# Altium PCB main_board.PcbDoc
Units mil, origin at the board's own origin, x right, y up, seen from the top; angles counter-clockwise.
Board outline 2075 x 1895 mil, 2 copper layers (Top Layer, Bottom Layer); 17 components, 27 nets, 103 pads, 0 vias.
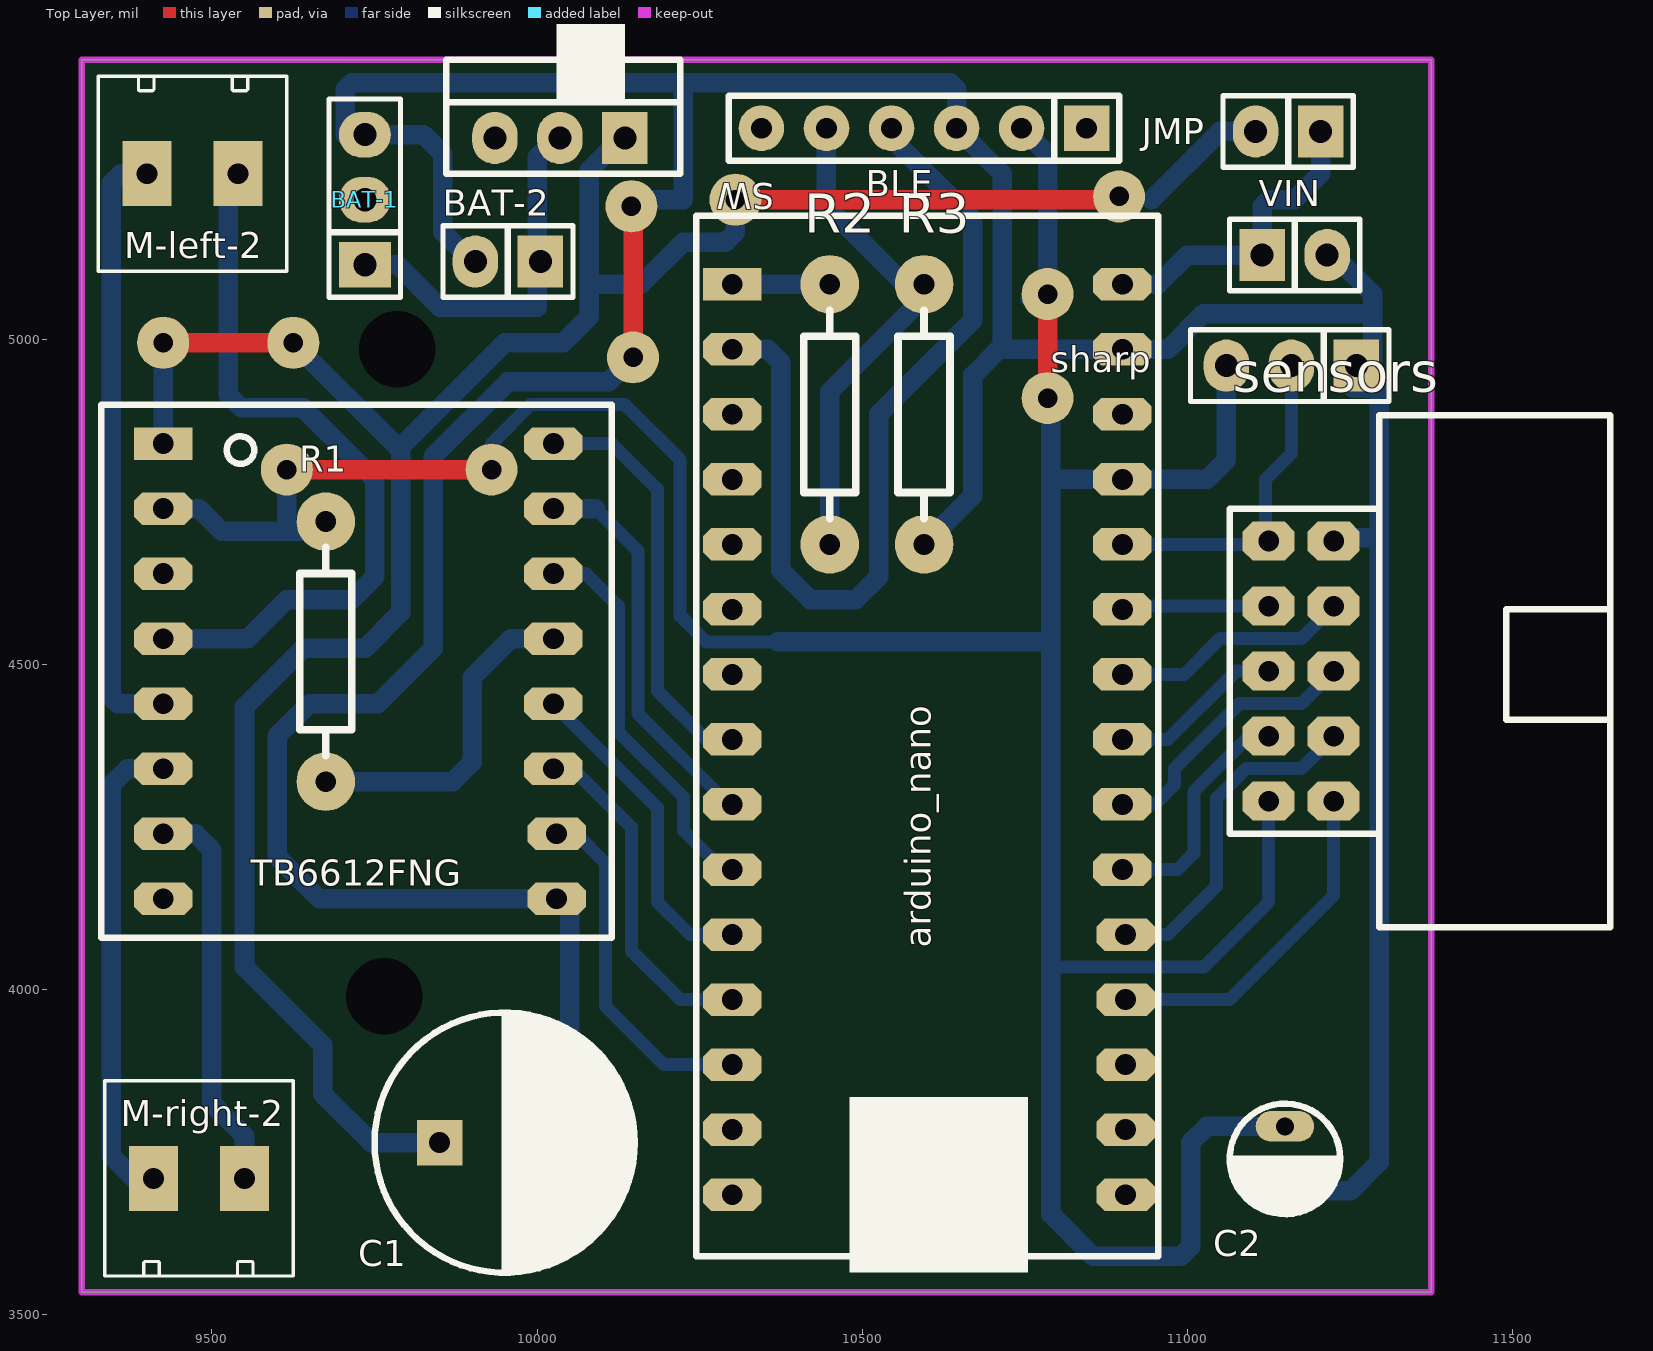
[diagram p0: Top Layer view]
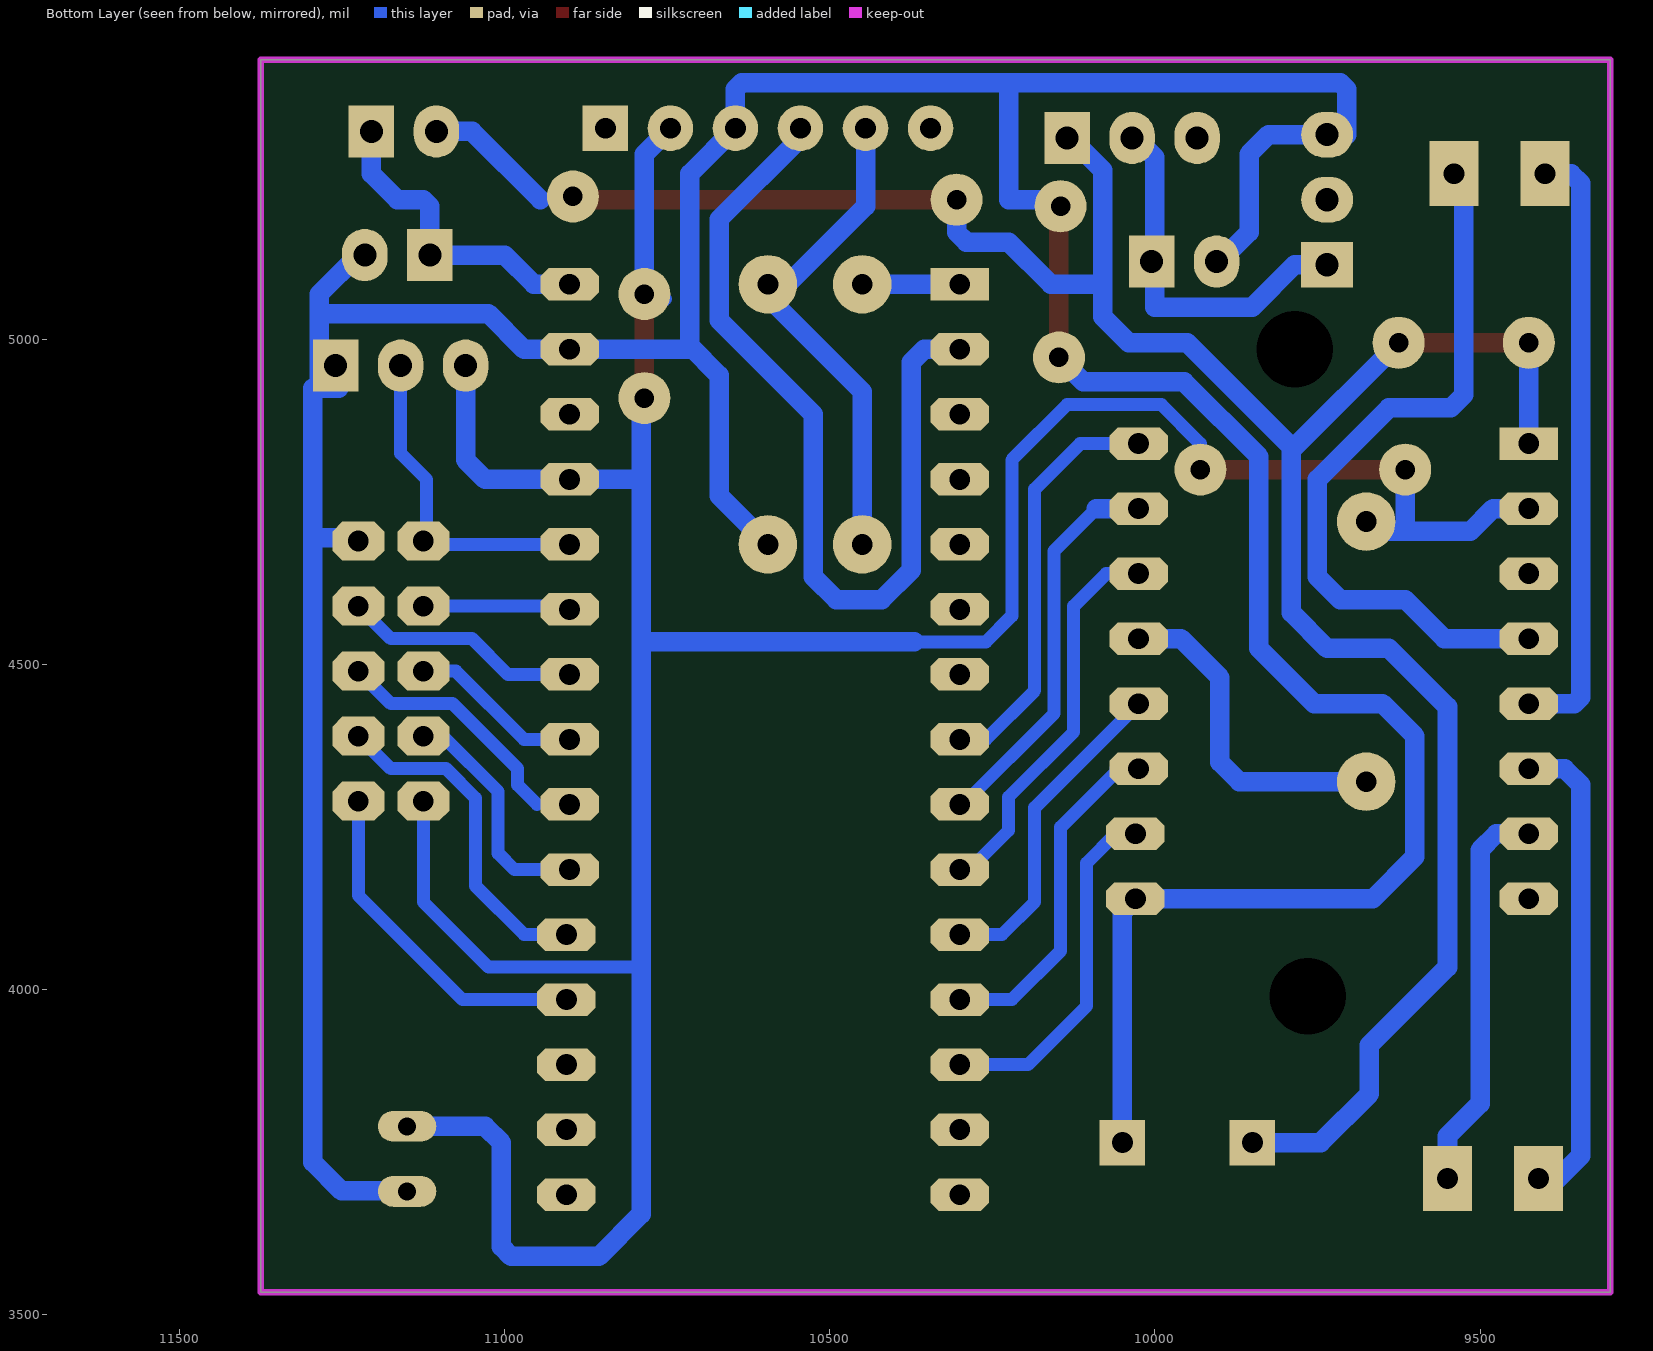
[diagram p1: Bottom Layer view, seen from below]

## Layer stack, top to bottom
Top Layer: signal copper 1.4
Dielectric: dielectric 12.6, FR-4, Dk 4.8
Bottom Layer: signal copper 1.4

## Board outline
9300,5430 11375,5430 11375,3535 9300,3535

## Design rules (kind name [scope] priority, off if disabled: settings)
Clearance [All] p1: gap=10
PolygonConnect [All] p1: connectstyle=Relief reliefconductorwidth=10 reliefentries=4 polygonreliefangle="90 Angle" airgapwidth=10
RoutingVias [All] p1: holewidth=28 width=50 viastyle="Through Hole" minholewidth=28 minwidth=50 maxholewidth=28 maxwidth=50
SolderMaskExpansion [All] p1: expansion=4
Width [All] p1: maxlimit=30 minlimit=20 preferedwidth=30 toplayer_minwidth=30 minimp=50.000000 maximp=50.000000 favimp=50.000000
28 further rules are at their usual default settings.

## Components (designator, comment, footprint, x,y, rotation, side; value= is the part's Value field where it differs from the comment)
arduino_nano "arduino" Arduino_nano 10605,4420 r0 top
BAT-1 "HDR-3" HDR-3 9735,5115 r90 top
BAT-2 "HDR-2" HDR-2 10005,5120 r180 top
BLE "HDR-6" HDR-6 10845,5325 r180 top
C1 "Capacitor Polarized" ELCO-2 10050,3765 r0 top
C2 "Capacitor Polarized" ELCO-1 11150,3740 r270 top
JMP "HDR-2" HDR-2 11205,5320 r180 top
M-left-2 "HDR-2" KLEMA2_SMALL 9505,5255 r0 top
M-right-2 "HDR-2" KLEMA2_SMALL 9445,3710 r180 top
R1 "Resistor" AXIAL-4 9675,4320 r90 top
R2 "Resistor" AXIAL-4 10450,5085 r270 top
R3 "Resistor" AXIAL-4 10595,5085 r270 top
sensors "HDR-5x2" "HDR-5x2 CON" 11165,4490 r90 top
sharp "HDR-3" HDR-3 11260,4960 r180 top
SW "SW-SPST" SW-3 10035,5310 r0 top
TB6612FNG "SparkFun" TB6612FNG_SparkFun 9750,4205 r0 top
VIN "HDR-2" HDR-2 11115,5130 r0 top

## Footprints (in the part's own frame and the unit in brackets; to place one, negate y for a bottom-side part, rotate by r counter-clockwise, add the part's x,y. Pads: shape width x height; smd on the part's side, far side on the other; paste and mask are expansions set on the pad)
Arduino_nano [mil]
  rect 90x50 hole 32: 1(-305,665)
  oct 90x50 hole 32: 2(-305,565) 3(-305,465) 4(-305,365) 5(-305,265) 6(-305,165) 7(-305,65) 8(-305,-35) 9(-305,-135) 10(-305,-235) 11(-305,-335) 12(-305,-435) 13(-305,-535) 14(-305,-635) 15(-305,-735) 16(300,-735) 17(300,-635) 18(300,-535) 19(300,-435) 20(300,-335) 21(295,-235) 22(295,-135) 23(295,-35) 24(295,65) 25(295,165) 26(295,265) 27(295,365) 28(295,465) 29(295,565) 30(295,665)
  silkscreen extent -360,-855 350,770, body extent -359,-952 349,820, height 752
AXIAL-4 [mil]
  round 90 hole 32: 1(0,0) 2(400,0)
  silkscreen extent 40,-40 360,40
ELCO-1 [mm]
  oval 1.2x2.286 hole 0.7: 1(-1.27,0) 2(1.27,0)
  silkscreen extent -2.16,-2.16 2.16,2.16, body extent -2.54,-2.54 2.69,2.68, height 11.01
ELCO-2 [mil]
  rect 70x70 hole 32: 1(-200,0) 2(0,0)
  silkscreen extent -300,-200 100,200, body extent -305,-206 107,206, height 650
HDR-2 [mil]
  rect 70x80 hole 35.43: 1(0,0)
  oval 70x80 hole 35.43: 2(100,0)
  silkscreen extent -50,-55 150,55, body extent -50,-50 150,50, height 350
HDR-3 [mil] "DIP, Plastic; 8 Leads; Row Spacing 7.62 mm; Pitch 2.54 mm"
  rect 70x80 hole 35.43: 1(0,0)
  oval 70x80 hole 35.43: 2(100,0) 3(200,0)
  silkscreen extent -50,-55 255,55, body extent -50,-50 250,50, height 350
"HDR-5x2 CON" [mil]
  oct 60x80 hole 32: 1(200,40) 2(200,-60) 3(100,40) 4(100,-60) 5(0,40) 6(0,-60) 7(-100,40) 8(-100,-60) 9(-200,40) 10(-200,-60)
  silkscreen extent -394,-485 394,100, body extent -400,-474 400,60, height 339
HDR-6 [mil]
  rect 70x70 hole 32: 1(0,0)
  round 70 hole 32: 2(100,0) 3(200,0) 4(300,0) 5(400,0) 6(500,0)
  silkscreen extent -50,-50 550,50, body extent -58,-49 558,49, height 335
KLEMA2_SMALL [mil]
  rect 75x100 hole 32: 1(-105,0) 2(35,0)
  silkscreen extent -180,-150 110,150, body extent -204,-136 134,140, height 335
SW-3 [mil]
  rect 70x80 hole 35.43: 1(100,0)
  oval 70x80 hole 35.43: 2(0,0) 3(-100,0)
  silkscreen extent -175,-55 185,195, body extent -162,-48 172,169, height 139
TB6612FNG_SparkFun [mil]
  rect 90x50 hole 32: 1(-325,635)
  oct 90x50 hole 32: 2(-325,535) 3(-325,435) 4(-325,335) 5(-325,235) 6(-325,135) 7(-325,35) 8(-325,-65) 9(280,-65) 10(280,35) 11(275,135) 12(275,235) 13(275,335) 14(275,435) 15(275,535) 16(275,635)
  silkscreen extent -420,-125 365,695, body extent -441,-128 382,698, height 494

## Part data
arduino_nano: library part Arduino_Nano
TB6612FNG: library part TB6612FNG_SparkFun

## Free pads (board coordinates)
  round 80 hole 30: 0(9425,4995) 0(9615,4800) 0(9625,4995) 0(9930,4800) 0(10145,5205) 0(10147.5,4972.5) 0(10305,5215) 0(10785,4910) 0(10785,5070) 0(10895,5220)
  round 39.37 hole 118.11: 0(9765,3990) 0(9785,4985)

## Nets (pads, with @x,y where several pads share a name; then routed paths per layer and width w, separated by ;. In a path a pad name is that pad's centre, name@x,y a point inside that pad or via, vN(x,y) a via of type N, cw(c..) or ccw(c..) an arc to the next point about the centre after c; other vN are vias at no path point)
5V: arduino_nano.27 BLE.2 C2.1 pad.0@9615,4800 pad.0@9930,4800 pad.0@10785,4910 pad.0@10785,5070 R1.2 sensors.9 sharp.3 TB6612FNG.2 | length 5038.6
  Top Layer w30: pad.0@9615,4800 pad.0@9930,4800 ; pad.0@10785,4910 pad.0@10785,5070
  Bottom Layer w20: pad.0@9930,4805 pad.0@9930,4820 ; 9930,4840 9990,4900 10135,4900 10220,4815 10220,4575 10260,4535 10370,4535 ; pad.0@10752.5,5062.5 pad.0@10755,5060 ; 10790,4035 11025,4035 11125,4135 sensors.9
  Bottom Layer w30: TB6612FNG.2 9480,4740 9515,4705 R1.2@9690,4705 ; 9615,4705 pad.0@9615,4785 ; 10370,4535 10790,4535 ; BLE.2 10785,5285 pad.0@10785,5070 ; pad.0@10790,4910 10790,4785 ; arduino_nano.27@10895,4785 10790,4785 ; arduino_nano.27 11030,4785 11060,4815 sharp.3@11060,4925 ; C2.1 11030,3790 11005,3765 11005,3605 10990,3590 10855,3590 10790,3655 10790,4035 10790,4535 ; 10790,4535 10790,4785
A0: arduino_nano.19 sensors.10 | length 536.3
  Bottom Layer w20: arduino_nano.19@10900,3985 11065,3985 11225,4145 sensors.10
A1: arduino_nano.20 sensors.8 | length 525.4
  Bottom Layer w20: arduino_nano.20 10970,4085 11045,4160 11045,4295 11090,4340 11175,4340 sensors.8
A2: arduino_nano.21 sensors.7 | length 365.6
  Bottom Layer w20: arduino_nano.21 10985,4185 11010,4210 11010,4305 11095,4390 sensors.7
A3: arduino_nano.22 sensors.6 | length 374.6
  Bottom Layer w20: 10950,4285 10980,4315 10980,4340 11080,4440 11175,4440 sensors.6
A4: arduino_nano.23 sensors.5 | length 273.5
  Bottom Layer w20: arduino_nano.23@10895,4385 10970,4385 11075,4490 sensors.5
A5: arduino_nano.24 sensors.4 | length 373.5
  Bottom Layer w20: arduino_nano.24@10895,4485 10995,4485 11050,4540 11175,4540 sensors.4
A6: arduino_nano.25 sensors.3 | length 232.1
  Bottom Layer w20: arduino_nano.25@10910,4585 10915,4590 sensors.3
  Bottom Layer w30: arduino_nano.25@10895,4585 arduino_nano.25@10910,4585
A7: arduino_nano.26 sensors.1 sharp.2 | length 476.6
  Bottom Layer w20: arduino_nano.26 sensors.1@11125,4685 ; sensors.1@11120,4690 11120,4785 11160,4825 sharp.2@11160,4925
GND: arduino_nano.29 BAT-1.3 BAT-2.2 BLE.3 C1.2 C2.2 pad.0@10145,5205 pad.0@10147.5,4972.5 R3.2 sensors.2 sharp.1 TB6612FNG.9 VIN.2 | length 6929.7
  Top Layer w30: pad.0@10145,5205 10147.5,5202.5 pad.0@10147.5,4972.5
  Bottom Layer w30: BAT-2.2@9910,5110 9855,5165 9855,5285 9825,5315 9705,5315 9705,5385 9715,5395 10220,5395 ; C1.2 10050,4120 TB6612FNG.9 9665,4140 9600,4205 9600,4390 9650,4440 9755,4440 9840,4525 9840,4820 9955,4935 10110,4935 pad.0@10147.5,4972.5 ; pad.0@10145,5205 10155,5215 10225,5215 10225,5390 10220,5395 ; R3.2 10670,4760 10670,4945 10715,4990 10715,5255 BLE.3 10645,5385 10635,5395 10220,5395 ; 10720,4985 10970,4985 11025,5040 11285,5040 ; C2.2@11150,3690.63 11250.63,3690.63 11295,3735 11295,4695 ; VIN.2 11225,5130 11285,5070 11285,5040 ; sensors.2@11230,4695 11295,4695 ; sharp.1@11255,4925 11295,4925 11295,4695 ; sharp.1@11285,4925 11285,5040
Netarduino_nano_1: arduino_nano.1 R2.1 | length 154.1
  Bottom Layer w30: arduino_nano.1@10295,5085 10435,5085 R2.1@10445,5095
Netarduino_nano_2: arduino_nano.2 BLE.4 | length 1388.3
  Bottom Layer w30: arduino_nano.2 10355,4985 10375,4965 10375,4645 10420,4600 10490,4600 10525,4635 10525,4885 10670,5030 10670,5185 10545,5310 BLE.4
Netarduino_nano_8: arduino_nano.8 TB6612FNG.16 | length 640.1
  Bottom Layer w20: TB6612FNG.16 10115,4840 10185,4770 10185,4460 10260,4385 arduino_nano.8@10295,4385
Netarduino_nano_9: arduino_nano.9 TB6612FNG.15 | length 604.9
  Bottom Layer w20: 10090,4740 10155,4675 10155,4425 arduino_nano.9@10295,4285
  Bottom Layer w30: TB6612FNG.15 10090,4740
Netarduino_nano_10: arduino_nano.10 TB6612FNG.14 | length 602
  Bottom Layer w20: TB6612FNG.14 10075,4640 10125,4590 10125,4396.57 10225,4296.57 10225,4245 arduino_nano.10@10285,4185
  Bottom Layer w30: arduino_nano.10@10285,4185 arduino_nano.10@10295,4185
Netarduino_nano_11: arduino_nano.11 TB6612FNG.12 | length 502
  Bottom Layer w20: TB6612FNG.12 10185,4280 10185,4135 10235,4085 arduino_nano.11@10295,4085
Netarduino_nano_12: arduino_nano.12 TB6612FNG.11 | length 528.3
  Bottom Layer w20: TB6612FNG.11@10055,4340 10145,4250 10145,4060 10220,3985 arduino_nano.12@10295,3985
  Bottom Layer w30: TB6612FNG.11 TB6612FNG.11@10055,4340
Netarduino_nano_13: arduino_nano.13 TB6612FNG.10 | length 540.9
  Bottom Layer w20: TB6612FNG.10@10060,4240 10105,4195 10105,3975 10195,3885 arduino_nano.13@10295,3885
  Bottom Layer w30: TB6612FNG.10 TB6612FNG.10@10060,4240
NetBAT-1_1: BAT-1.1 BAT-2.1 SW.2 | length 571.4
  Bottom Layer w30: BAT-1.1 9785,5115 9850,5050 10000,5050 10000,5280 SW.2@10035,5315
NetBLE_5: BLE.5 R2.2 R3.1 | length 749.8
  Bottom Layer w30: BLE.5 10445,5205 R3.1@10565,5085 ; R2.2 10450,4920 10595,5065 R3.1
NetM-left-2_1: M-left-2.1 TB6612FNG.5 | length 935.4
  Bottom Layer w30: M-left-2.1 9360,5255 9345,5240 9345,4450 9355,4440 TB6612FNG.5
NetM-left-2_2: M-left-2.2 TB6612FNG.4 | length 1148.2
  Bottom Layer w30: TB6612FNG.4 9555,4540 9615,4600 9715,4600 9750,4635 9750,4785 9640,4895 9545,4895 9525,4915 9525,5255 M-left-2.2
NetM-right-2_1: M-right-2.1 TB6612FNG.7 | length 611.1
  Bottom Layer w30: TB6612FNG.7 9475,4240 9500,4215 9500,3825 9550,3775 M-right-2.1
NetM-right-2_2: M-right-2.2 TB6612FNG.6 | length 752.3
  Bottom Layer w30: M-right-2.2 9395,3695 9345,3745 9345,4315 9370,4340 TB6612FNG.6
NetR1_1: R1.1 TB6612FNG.13 | length 492.3
  Bottom Layer w30: R1.1@9700,4320 9870,4320 9900,4350 9900,4480 9960,4540 TB6612FNG.13
VBAT: C1.1 JMP.2 pad.0@9425,4995 pad.0@9625,4995 pad.0@10305,5215 pad.0@10895,5220 SW.1 TB6612FNG.1 | length 3766.4
  Top Layer w30: pad.0@9425,4995 pad.0@9625,4995 ; pad.0@10305,5215 pad.0@10895,5215
  Bottom Layer w30: TB6612FNG.1 pad.0@9425,4995 ; pad.0@9625,4995 9790,4830 9790,4580 9735,4525 9640,4525 9550,4435 9550,4035 9670,3915 9670,3840 9745,3765 C1.1 ; 9787.5,4832.5 9950,4995 10040,4995 10077.5,5032.5 ; 10080,5035 10080,5260 SW.1@10135,5315 ; 10085,5085 10160,5085 10225,5150 10290,5150 10305,5165 pad.0@10305,5215 ; 10945,5215 11050,5320 JMP.2
VIN: arduino_nano.30 JMP.1 VIN.1 | length 489.4
  Bottom Layer w30: arduino_nano.30@10895,5085 10955,5085 11000,5130 VIN.1 11115,5205 11125,5215 11165,5215 11205,5255 JMP.1
pads on no net: arduino_nano.3 arduino_nano.4 arduino_nano.5 arduino_nano.6 arduino_nano.7 arduino_nano.14 arduino_nano.15 arduino_nano.16 arduino_nano.17 arduino_nano.18 arduino_nano.28 BAT-1.2 BLE.1 BLE.6 SW.3 TB6612FNG.3 TB6612FNG.8

## Keep-outs
Keep-Out Layer:
  lines w10: 9300,3535 10995,3535 11375,3535 11375,5430 9300,5430 9300,3535

## Dimensions
9960,5055 to 9940,4060 on Top Overlay
9300,5430 to 9300,3535 on Top Overlay
11375,3535 to 9300,3535 on Top Overlay